# Altium PCB BTF16_2 (2).PcbDoc (part 2 of 4) (continued)
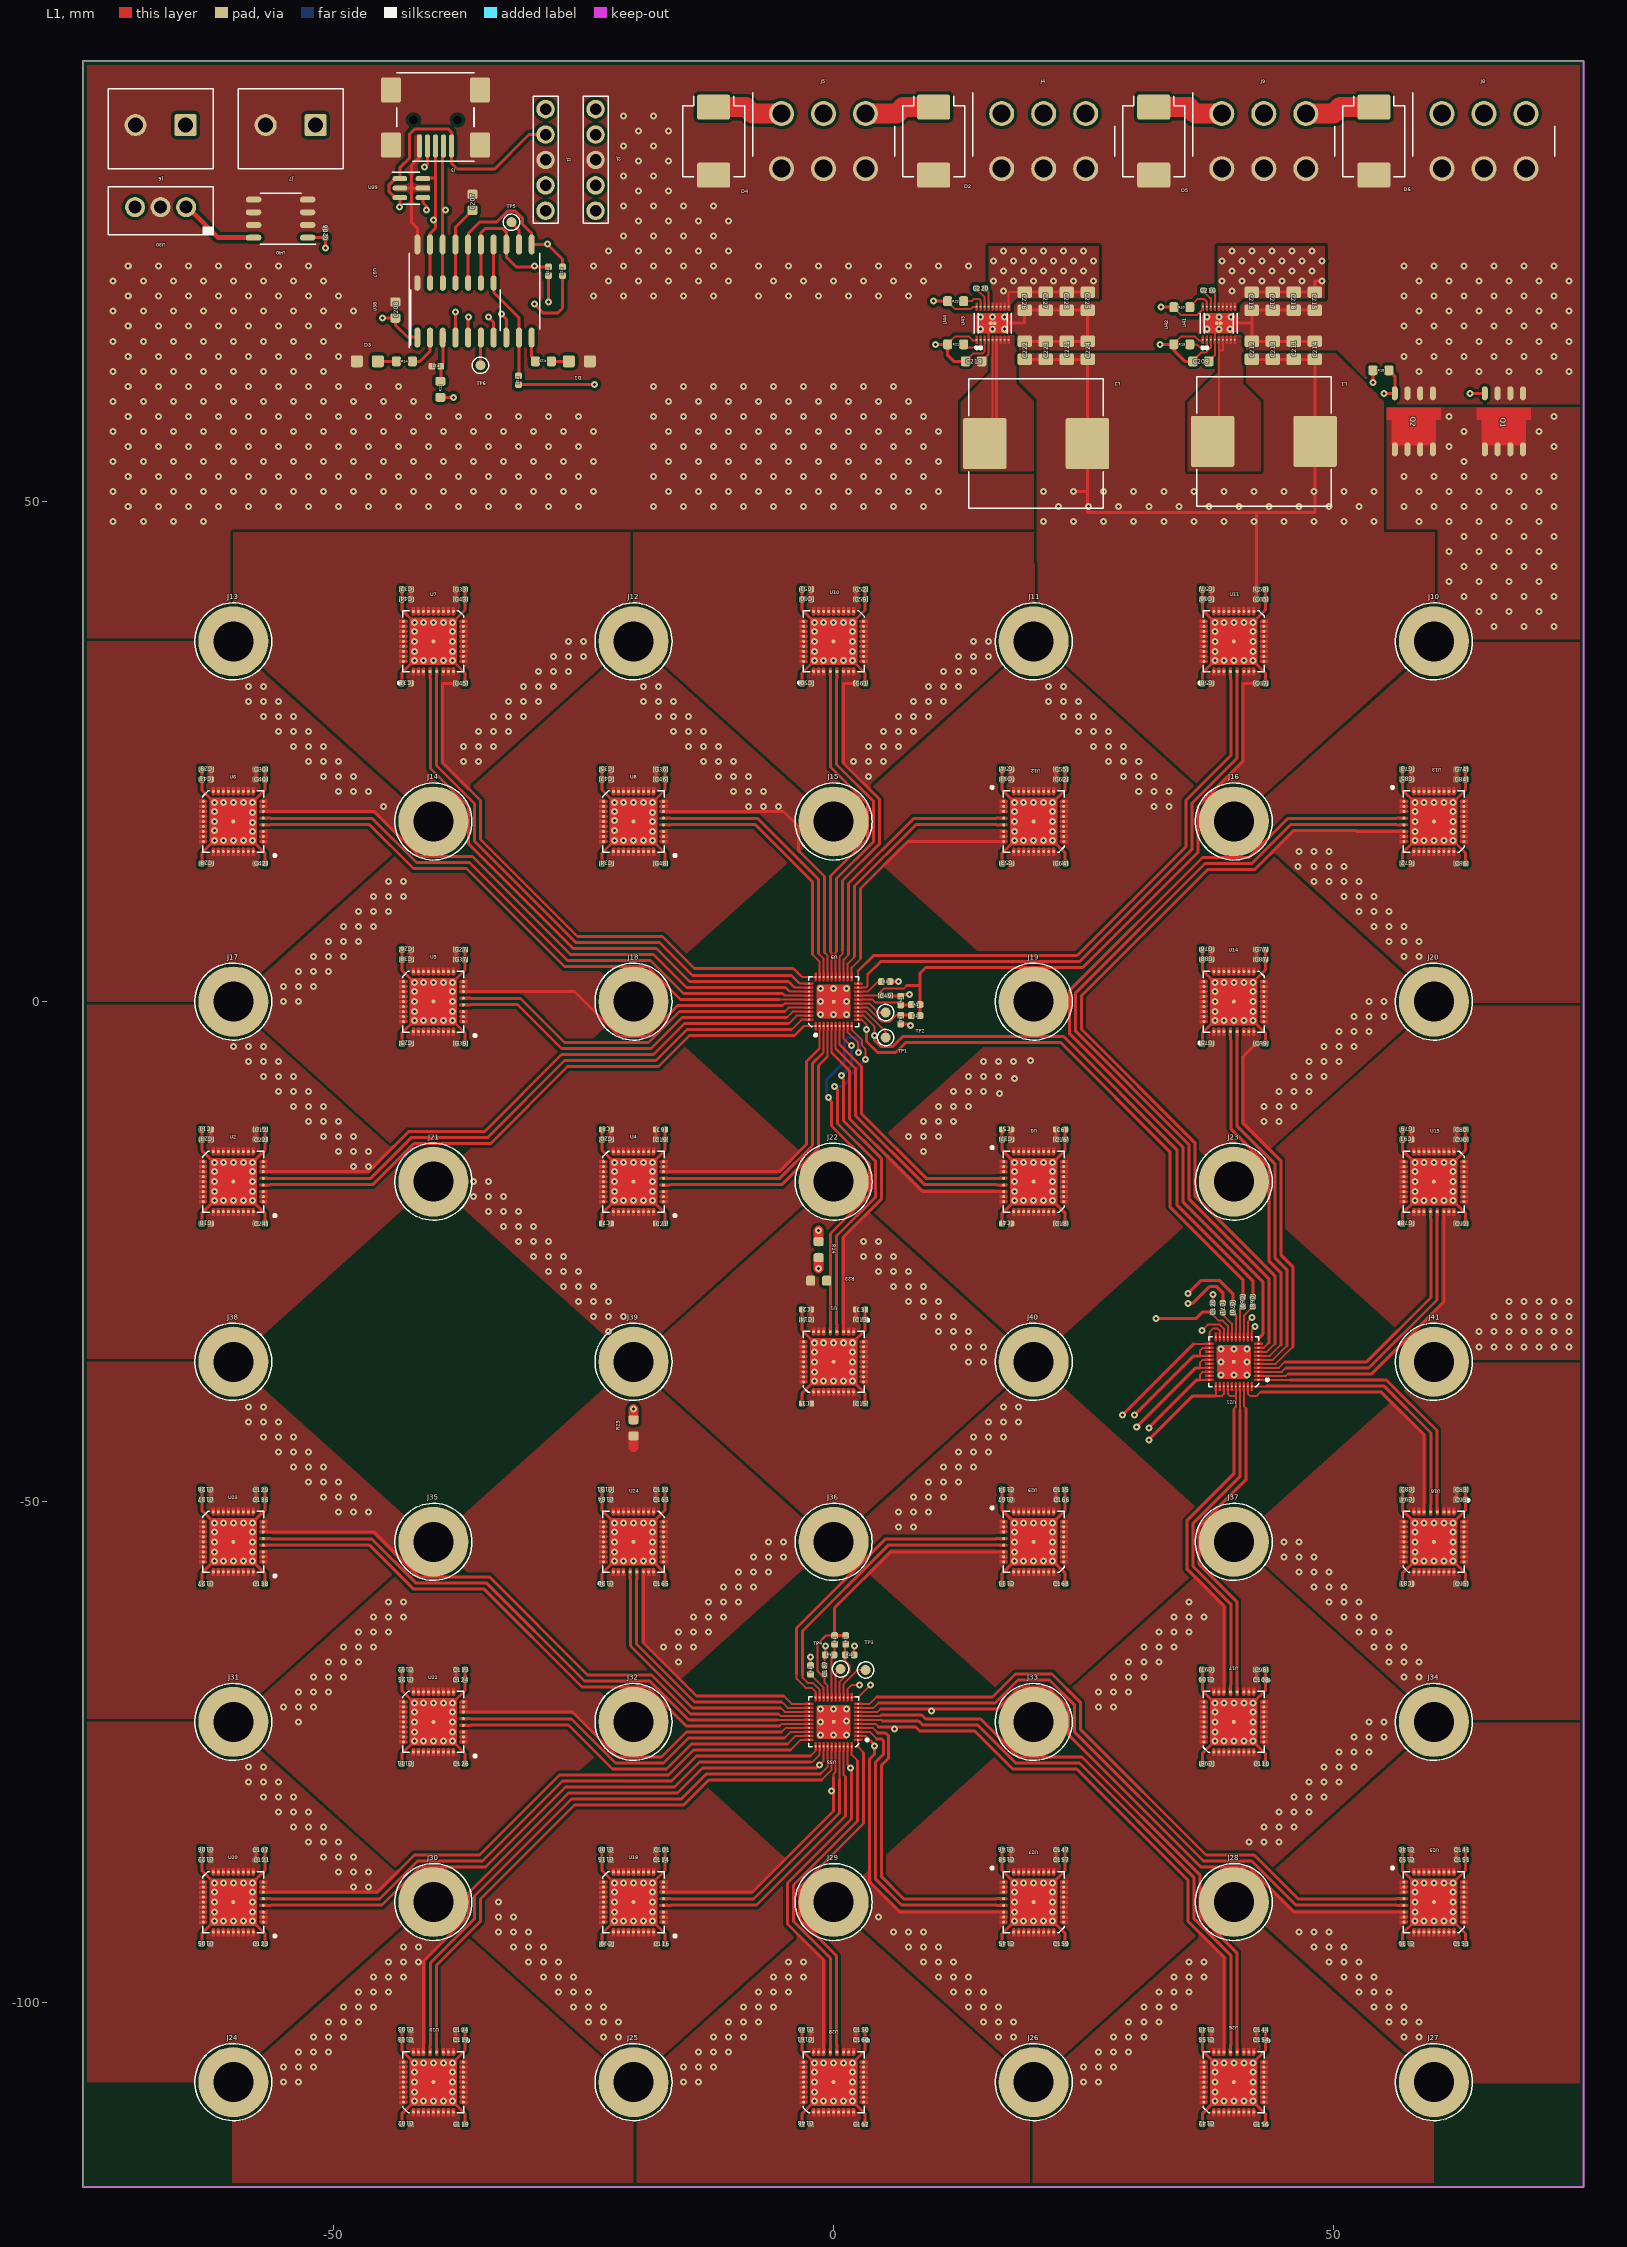
[diagram p0: L1 view]
## Footprints (in the part's own frame and the unit in brackets; to place one, negate y for a bottom-side part, rotate by r counter-clockwise, add the part's x,y. Pads: shape width x height; smd on the part's side, far side on the other; paste and mask are expansions set on the pad) (continued)
  L1 region: 1.7,-2.875 1.692,-2.125 1.723,-2.048 1.8,-2.017 1.877,-2.048 1.908,-2.125 1.9,-2.125 1.9,-2.875 1.7,-2.875
  L1 region: 1.3,-2.875 1.292,-2.125 1.323,-2.048 1.4,-2.017 1.477,-2.048 1.508,-2.125 1.5,-2.125 1.5,-2.875 1.3,-2.875
  L1 region: 0.9,-2.875 0.892,-2.125 0.923,-2.048 1,-2.017 1.077,-2.048 1.108,-2.125 1.1,-2.125 1.1,-2.875 0.9,-2.875
  L1 region: 0.5,-2.875 0.492,-2.125 0.523,-2.048 0.6,-2.017 0.677,-2.048 0.708,-2.125 0.7,-2.125 0.7,-2.875 0.5,-2.875
  L1 region: 0.1,-2.875 0.092,-2.125 0.123,-2.048 0.2,-2.017 0.277,-2.048 0.308,-2.125 0.3,-2.125 0.3,-2.875 0.1,-2.875
  L1 region: -0.3,-2.875 -0.308,-2.125 -0.277,-2.048 -0.2,-2.017 -0.123,-2.048 -0.092,-2.125 -0.1,-2.125 -0.1,-2.875 -0.3,-2.875
  L1 region: -0.7,-2.875 -0.708,-2.125 -0.677,-2.048 -0.6,-2.017 -0.523,-2.048 -0.492,-2.125 -0.5,-2.125 -0.5,-2.875 -0.7,-2.875
  L1 region: -1.1,-2.875 -1.108,-2.125 -1.077,-2.048 -1,-2.017 -0.923,-2.048 -0.892,-2.125 -0.9,-2.125 -0.9,-2.875 -1.1,-2.875
  L1 region: -1.5,-2.875 -1.508,-2.125 -1.477,-2.048 -1.4,-2.017 -1.323,-2.048 -1.292,-2.125 -1.3,-2.125 -1.3,-2.875 -1.5,-2.875
  L1 region: -1.9,-2.875 -1.908,-2.125 -1.877,-2.048 -1.8,-2.017 -1.723,-2.048 -1.692,-2.125 -1.7,-2.125 -1.7,-2.875 -1.9,-2.875
  L1 region: -2.875,-1.7 -2.125,-1.692 -2.048,-1.723 -2.017,-1.8 -2.048,-1.877 -2.125,-1.908 -2.125,-1.9 -2.875,-1.9 -2.875,-1.7
  L1 region: -2.875,-1.3 -2.125,-1.292 -2.048,-1.323 -2.017,-1.4 -2.048,-1.477 -2.125,-1.508 -2.125,-1.5 -2.875,-1.5 -2.875,-1.3
  L1 region: -2.875,-0.9 -2.125,-0.892 -2.048,-0.923 -2.017,-1 -2.048,-1.077 -2.125,-1.108 -2.125,-1.1 -2.875,-1.1 -2.875,-0.9
  L1 region: -2.875,-0.5 -2.125,-0.492 -2.048,-0.523 -2.017,-0.6 -2.048,-0.677 -2.125,-0.708 -2.125,-0.7 -2.875,-0.7 -2.875,-0.5
  L1 region: -2.875,-0.1 -2.125,-0.092 -2.048,-0.123 -2.017,-0.2 -2.048,-0.277 -2.125,-0.308 -2.125,-0.3 -2.875,-0.3 -2.875,-0.1
  L1 region: -2.875,0.3 -2.125,0.308 -2.048,0.277 -2.017,0.2 -2.048,0.123 -2.125,0.092 -2.125,0.1 -2.875,0.1 -2.875,0.3
  L1 region: -2.875,0.7 -2.125,0.708 -2.048,0.677 -2.017,0.6 -2.048,0.523 -2.125,0.492 -2.125,0.5 -2.875,0.5 -2.875,0.7
  L1 region: -2.875,1.1 -2.125,1.108 -2.048,1.077 -2.017,1 -2.048,0.923 -2.125,0.892 -2.125,0.9 -2.875,0.9 -2.875,1.1
  L1 region: -2.875,1.5 -2.125,1.508 -2.048,1.477 -2.017,1.4 -2.048,1.323 -2.125,1.292 -2.125,1.3 -2.875,1.3 -2.875,1.5
  L1 region: -2.875,1.9 -2.125,1.908 -2.048,1.877 -2.017,1.8 -2.048,1.723 -2.125,1.692 -2.125,1.7 -2.875,1.7 -2.875,1.9
  silkscreen extent -3.47,-2.5 2.5,2.5
SMD_QFN50P600X600X175-36AN [mm]
  round 0.3 smd mask-0.15: 1(-3,2) 2(-3,1.5) 3(-3,1) 4(-3,0.5) 5(-3,0) 6(-3,-0.5) 7(-3,-1) 8(-3,-1.5) 9(-3,-2) 10(-2,-3) 11(-1.5,-3) 12(-1,-3) 13(-0.5,-3) 14(0,-3) 15(0.5,-3) 16(1,-3) 17(1.5,-3) 18(2,-3) 19(3,-2) 20(3,-1.5) 21(3,-1) 22(3,-0.333) 23(3,0.334) 24(3,1) 25(3,1.5) 26(3,2) 27(2,3) 28(1.5,3) 29(1,3) 30(0.5,3) 31(0,3) 32(-0.5,3) 33(-1,3) 34(-1.5,3) 35(-2,3)
  round 0.4 smd: 36(0,0)
  L1 region: -2.35,2.15 -2.15,2.35 2.15,2.354 2.228,2.338 2.294,2.294 2.338,2.228 2.354,2.15 2.35,2.15 2.354,-2.15 2.338,-2.228 2.294,-2.294 2.228,-2.338 2.15,-2.354 2.15,-2.35 -2.15,-2.354 -2.228,-2.338 -2.294,-2.294 -2.338,-2.228 -2.354,-2.15 -2.35,-2.15 -2.35,2.15
  L1 region: -1.85,3.4 -1.838,2.75 -1.885,2.635 -2,2.588 -2.115,2.635 -2.162,2.75 -2.15,2.75 -2.15,3.4 -1.85,3.4
  L1 region: -1.35,3.4 -1.338,2.75 -1.385,2.635 -1.5,2.588 -1.615,2.635 -1.662,2.75 -1.65,2.75 -1.65,3.4 -1.35,3.4
  L1 region: -0.85,3.4 -0.838,2.75 -0.885,2.635 -1,2.588 -1.115,2.635 -1.162,2.75 -1.15,2.75 -1.15,3.4 -0.85,3.4
  L1 region: -0.35,3.4 -0.338,2.75 -0.385,2.635 -0.5,2.588 -0.615,2.635 -0.662,2.75 -0.65,2.75 -0.65,3.4 -0.35,3.4
  L1 region: 0.15,3.4 0.162,2.75 0.115,2.635 0,2.588 -0.115,2.635 -0.162,2.75 -0.15,2.75 -0.15,3.4 0.15,3.4
  L1 region: 0.65,3.4 0.662,2.75 0.615,2.635 0.5,2.588 0.385,2.635 0.338,2.75 0.35,2.75 0.35,3.4 0.65,3.4
  L1 region: 1.15,3.4 1.162,2.75 1.115,2.635 1,2.588 0.885,2.635 0.838,2.75 0.85,2.75 0.85,3.4 1.15,3.4
  L1 region: 1.65,3.4 1.662,2.75 1.615,2.635 1.5,2.588 1.385,2.635 1.338,2.75 1.35,2.75 1.35,3.4 1.65,3.4
  L1 region: 2.15,3.4 2.162,2.75 2.115,2.635 2,2.588 1.885,2.635 1.838,2.75 1.85,2.75 1.85,3.4 2.15,3.4
  L1 region: 3.4,1.85 2.75,1.838 2.635,1.885 2.588,2 2.635,2.115 2.75,2.162 2.75,2.15 3.4,2.15 3.4,1.85
  L1 region: 3.4,1.35 2.75,1.338 2.635,1.385 2.588,1.5 2.635,1.615 2.75,1.662 2.75,1.65 3.4,1.65 3.4,1.35
  L1 region: 3.4,0.85 2.75,0.838 2.635,0.885 2.588,1 2.635,1.115 2.75,1.162 2.75,1.15 3.4,1.15 3.4,0.85
  L1 region: 3.4,0.184 2.75,0.172 2.635,0.219 2.588,0.334 2.635,0.449 2.75,0.496 2.75,0.484 3.4,0.484 3.4,0.184
  L1 region: 3.4,-0.483 2.75,-0.495 2.635,-0.448 2.588,-0.333 2.635,-0.218 2.75,-0.171 2.75,-0.183 3.4,-0.183 3.4,-0.483
  L1 region: 3.4,-1.15 2.75,-1.162 2.635,-1.115 2.588,-1 2.635,-0.885 2.75,-0.838 2.75,-0.85 3.4,-0.85 3.4,-1.15
  L1 region: 3.4,-1.65 2.75,-1.662 2.635,-1.615 2.588,-1.5 2.635,-1.385 2.75,-1.338 2.75,-1.35 3.4,-1.35 3.4,-1.65
  L1 region: 3.4,-2.15 2.75,-2.162 2.635,-2.115 2.588,-2 2.635,-1.885 2.75,-1.838 2.75,-1.85 3.4,-1.85 3.4,-2.15
  L1 region: 1.85,-3.4 1.838,-2.75 1.885,-2.635 2,-2.588 2.115,-2.635 2.162,-2.75 2.15,-2.75 2.15,-3.4 1.85,-3.4
  L1 region: 1.35,-3.4 1.338,-2.75 1.385,-2.635 1.5,-2.588 1.615,-2.635 1.662,-2.75 1.65,-2.75 1.65,-3.4 1.35,-3.4
  L1 region: 0.85,-3.4 0.838,-2.75 0.885,-2.635 1,-2.588 1.115,-2.635 1.162,-2.75 1.15,-2.75 1.15,-3.4 0.85,-3.4
  L1 region: 0.35,-3.4 0.338,-2.75 0.385,-2.635 0.5,-2.588 0.615,-2.635 0.662,-2.75 0.65,-2.75 0.65,-3.4 0.35,-3.4
  L1 region: -0.15,-3.4 -0.162,-2.75 -0.115,-2.635 0,-2.588 0.115,-2.635 0.162,-2.75 0.15,-2.75 0.15,-3.4 -0.15,-3.4
  L1 region: -0.65,-3.4 -0.662,-2.75 -0.615,-2.635 -0.5,-2.588 -0.385,-2.635 -0.338,-2.75 -0.35,-2.75 -0.35,-3.4 -0.65,-3.4
  L1 region: -1.15,-3.4 -1.162,-2.75 -1.115,-2.635 -1,-2.588 -0.885,-2.635 -0.838,-2.75 -0.85,-2.75 -0.85,-3.4 -1.15,-3.4
  L1 region: -1.65,-3.4 -1.662,-2.75 -1.615,-2.635 -1.5,-2.588 -1.385,-2.635 -1.338,-2.75 -1.35,-2.75 -1.35,-3.4 -1.65,-3.4
  L1 region: -2.15,-3.4 -2.162,-2.75 -2.115,-2.635 -2,-2.588 -1.885,-2.635 -1.838,-2.75 -1.85,-2.75 -1.85,-3.4 -2.15,-3.4
  L1 region: -3.4,-1.85 -2.75,-1.838 -2.635,-1.885 -2.588,-2 -2.635,-2.115 -2.75,-2.162 -2.75,-2.15 -3.4,-2.15 -3.4,-1.85
  L1 region: -3.4,-1.35 -2.75,-1.338 -2.635,-1.385 -2.588,-1.5 -2.635,-1.615 -2.75,-1.662 -2.75,-1.65 -3.4,-1.65 -3.4,-1.35
  L1 region: -3.4,-0.85 -2.75,-0.838 -2.635,-0.885 -2.588,-1 -2.635,-1.115 -2.75,-1.162 -2.75,-1.15 -3.4,-1.15 -3.4,-0.85
  L1 region: -3.4,-0.35 -2.75,-0.338 -2.635,-0.385 -2.588,-0.5 -2.635,-0.615 -2.75,-0.662 -2.75,-0.65 -3.4,-0.65 -3.4,-0.35
  L1 region: -3.4,0.15 -2.75,0.162 -2.635,0.115 -2.588,0 -2.635,-0.115 -2.75,-0.162 -2.75,-0.15 -3.4,-0.15 -3.4,0.15
  L1 region: -3.4,0.65 -2.75,0.662 -2.635,0.615 -2.588,0.5 -2.635,0.385 -2.75,0.338 -2.75,0.35 -3.4,0.35 -3.4,0.65
  L1 region: -3.4,1.15 -2.75,1.162 -2.635,1.115 -2.588,1 -2.635,0.885 -2.75,0.838 -2.75,0.85 -3.4,0.85 -3.4,1.15
  L1 region: -3.4,1.65 -2.75,1.662 -2.635,1.615 -2.588,1.5 -2.635,1.385 -2.75,1.338 -2.75,1.35 -3.4,1.35 -3.4,1.65
  L1 region: -3.4,2.15 -2.75,2.162 -2.635,2.115 -2.588,2 -2.635,1.885 -2.75,1.838 -2.75,1.85 -3.4,1.85 -3.4,2.15
  silkscreen extent -3.05,-3.53 4.27,3.05
SMD_SOIC127P600X110-9AN [mm]
  oval 1.4x0.6 smd mask+0.075: 1(-2.8,1.905) 2(-2.8,0.635) 3(-2.8,-0.635) 4(-2.8,-1.905) 5(2.8,-1.905) 6(2.8,-0.635) 7(2.8,0.635) 8(2.8,1.905)
  L1 region: -1.35,2.7 -0.15,2.7 -0.15,2.2 2.4,2.2 2.4,-2.2 -0.15,-2.2 -0.15,-2.7 -1.35,-2.7 -1.35,2.7
  body extent -3.2,-2.45 3.2,2.45, height 1.1
SMD_SOIC127P600X175-8N [mm]
  oval 1.55x0.6 smd mask+0.075: 1(-2.7,1.905) 2(-2.7,0.635) 3(-2.7,-0.635) 4(-2.7,-1.905) 5(2.7,-1.905) 6(2.7,-0.635) 7(2.7,0.635) 8(2.7,1.905)
  silkscreen extent -3.5,-2.55 2.05,2.55, body extent -3,-2.5 3,2.5, height 1.75
SMD_SOIC127P600X175-14N [mm]
  oval 1.55x0.6 smd mask+0.075: 1(-2.7,3.81) 2(-2.7,2.54) 3(-2.7,1.27) 4(-2.7,0) 5(-2.7,-1.27) 6(-2.7,-2.54) 7(-2.7,-3.81) 8(2.7,-3.81) 9(2.7,-2.54) 10(2.7,-1.27) 11(2.7,0) 12(2.7,1.27) 13(2.7,2.54) 14(2.7,3.81)
  silkscreen extent -3.5,-4.45 2.05,4.45, body extent -3,-4.32 3,4.33, height 1.75
SMD_SOIC127P1030X265-20N [mm]
  oval 2x0.6 smd mask+0.075: 1(-4.65,5.715) 2(-4.65,4.445) 3(-4.65,3.175) 4(-4.65,1.905) 5(-4.65,0.635) 6(-4.65,-0.635) 7(-4.65,-1.905) 8(-4.65,-3.175) 9(-4.65,-4.445) 10(-4.65,-5.715) 11(4.65,-5.715) 12(4.65,-4.445) 13(4.65,-3.175) 14(4.65,-1.905) 15(4.65,-0.635) 16(4.65,0.635) 17(4.65,1.905) 18(4.65,3.175) 19(4.65,4.445) 20(4.65,5.715)
  silkscreen extent -5.65,-6.5 3.8,6.5, body extent -5.16,-6.4 5.16,6.4, height 2.65
SMD_SON40P330X330X100-17N [mm]
  round 0.2 smd mask-0.1: 1(-1.65,1.4) 2(-1.65,1) 3(-1.65,0.6) 4(-1.65,0.2) 5(-1.65,-0.2) 6(-1.65,-0.6) 7(-1.65,-1) 8(-1.65,-1.4) 9(1.65,-1.4) 10(1.65,-1) 11(1.65,-0.6) 12(1.65,-0.2) 13(1.65,0.2) 14(1.65,0.6) 15(1.65,1) 16(1.65,1.4)
  round 0.4 smd: 17(0,0)
  L1 region: -2.05,1.5 -1.35,1.508 -1.273,1.477 -1.242,1.4 -1.273,1.323 -1.35,1.292 -1.35,1.3 -2.05,1.3 -2.05,1.5
  L1 region: -2.05,1.1 -1.35,1.108 -1.273,1.077 -1.242,1 -1.273,0.923 -1.35,0.892 -1.35,0.9 -2.05,0.9 -2.05,1.1
  L1 region: -2.05,0.7 -1.35,0.708 -1.273,0.677 -1.242,0.6 -1.273,0.523 -1.35,0.492 -1.35,0.5 -2.05,0.5 -2.05,0.7
  L1 region: -2.05,0.3 -1.35,0.308 -1.273,0.277 -1.242,0.2 -1.273,0.123 -1.35,0.092 -1.35,0.1 -2.05,0.1 -2.05,0.3
  L1 region: -2.05,-0.1 -1.35,-0.092 -1.273,-0.123 -1.242,-0.2 -1.273,-0.277 -1.35,-0.308 -1.35,-0.3 -2.05,-0.3 -2.05,-0.1
  L1 region: -2.05,-0.5 -1.35,-0.492 -1.273,-0.523 -1.242,-0.6 -1.273,-0.677 -1.35,-0.708 -1.35,-0.7 -2.05,-0.7 -2.05,-0.5
  L1 region: -2.05,-0.9 -1.35,-0.892 -1.273,-0.923 -1.242,-1 -1.273,-1.077 -1.35,-1.108 -1.35,-1.1 -2.05,-1.1 -2.05,-0.9
  L1 region: -2.05,-1.3 -1.35,-1.292 -1.273,-1.323 -1.242,-1.4 -1.273,-1.477 -1.35,-1.508 -1.35,-1.5 -2.05,-1.5 -2.05,-1.3
  L1 region: 2.05,-1.5 1.35,-1.508 1.273,-1.477 1.242,-1.4 1.273,-1.323 1.35,-1.292 1.35,-1.3 2.05,-1.3 2.05,-1.5
  L1 region: 2.05,-1.1 1.35,-1.108 1.273,-1.077 1.242,-1 1.273,-0.923 1.35,-0.892 1.35,-0.9 2.05,-0.9 2.05,-1.1
  L1 region: 2.05,-0.7 1.35,-0.708 1.273,-0.677 1.242,-0.6 1.273,-0.523 1.35,-0.492 1.35,-0.5 2.05,-0.5 2.05,-0.7
  L1 region: 2.05,-0.3 1.35,-0.308 1.273,-0.277 1.242,-0.2 1.273,-0.123 1.35,-0.092 1.35,-0.1 2.05,-0.1 2.05,-0.3
  L1 region: 2.05,0.1 1.35,0.092 1.273,0.123 1.242,0.2 1.273,0.277 1.35,0.308 1.35,0.3 2.05,0.3 2.05,0.1
  L1 region: 2.05,0.5 1.35,0.492 1.273,0.523 1.242,0.6 1.273,0.677 1.35,0.708 1.35,0.7 2.05,0.7 2.05,0.5
  L1 region: 2.05,0.9 1.35,0.892 1.273,0.923 1.242,1 1.273,1.077 1.35,1.108 1.35,1.1 2.05,1.1 2.05,0.9
  L1 region: 2.05,1.3 1.35,1.292 1.273,1.323 1.242,1.4 1.273,1.477 1.35,1.508 1.35,1.5 2.05,1.5 2.05,1.3
  L1 region: -1,1.225 -0.8,1.425 0.8,1.429 0.878,1.413 0.944,1.369 0.988,1.303 1.004,1.225 1,1.225 1.004,-1.225 0.988,-1.303 0.944,-1.369 0.878,-1.413 0.8,-1.429 0.8,-1.425 -0.8,-1.429 -0.878,-1.413 -0.944,-1.369 -0.988,-1.303 -1.004,-1.225 -1,-1.225 -1,1.225
  silkscreen extent -2.57,-1.65 1,1.65
SMD_SOT457_SOT95P275X110-6N [mm]
  rrect80% 1.45x0.5 smd mask+0.075: 1(-1.15,0.95) 2(-1.15,0) 3(-1.15,-0.95) 4(1.15,-0.95) 5(1.15,0) 6(1.15,0.95)
  silkscreen extent -1.9,-1.6 0.85,1.6, body extent -1.37,-1.45 1.38,1.45, height 1.1
SMD_TP_100-254 [mm]
  round 1 smd paste-0.55 mask+0.075: 1(0,0)
  silkscreen extent -0.82,-0.82 0.82,0.82, body extent -0.5,-0.5 0.5,0.5, height 0.05
SMT_INDM135130X800N [mm]
  rrect9% 4.35x5.1 smd mask+0.075: 1(-5.125,0) 2(5.125,0)
  silkscreen extent -6.73,-6.48 6.73,6.48, body extent -6.26,-6.25 6.26,6.25, height 8

## Via types
v1: diameter 0.7/0.7/0.7/0.7 (per signal layer), hole 0.3, L1 to L4, 1746 vias

## Nets (pads, with @x,y where several pads share a name; then routed paths per layer and width w, separated by ;. In a path a pad name is that pad's centre, name@x,y a point inside that pad or via, vN(x,y) a via of type N, cw(c..) or ccw(c..) an arc to the next point about the centre after c; other vN are vias at no path point)
5.0V: C206.1 C208.1 C209.1 C219.1 J1.2 J2.2 J3.1 R19.1 R21.1 U30.3 U37.1 U38.1 U39.1 U39.3 U40.1 U41.2 U42.1 U42.3 U43.2 U44.1 U44.3 | length 181.2
  L1 w0.2: R21.1@11.4,65.7 11.4,65.75 12.15,66.5 13.5,66.5 13.9,66.1 14.3,66.1 U44.1@14.3,66.15 ; C219.1@13.2,64 13.2,64.025 13.975,64.8 14.9,64.8 15.1,65 U44.3@15.1,66.15 ; R19.1@34,65.7 34,65.75 34.75,66.5 36.1,66.5 36.5,66.1 36.9,66.1 U42.1@36.9,66.15 ; C209.1@35.9,64 35.9,64.025 36.775,64.9 37.228,64.9 37.7,65.372 U42.3@37.7,66.15
  L1 w0.3: U40.1@-52.57,76.353 -50.803,76.353 C206.1@-50.8,76.35 v1(-50.8,75.3) ; v1(-45.1,68.3) -45.08,68.32 C208.1@-43.792,68.32 -43.78,68.308 -43.78,67.6 -42.6,66.42 U38.1@-41.602,66.42 ; v1(-43.4,79.4) -43.35,79.45 U39.3@-43.35,80.35 -43.825,80.35 -44.425,80.95 -44.425,81.65 -43.825,82.25 U39.1@-43.35,82.25 -43.35,83.35 -42.4,84.3 -42.4,86.7 -41.9,87.2 -38.5,87.2 -38.153,86.853 -38.153,85.52 J3.1@-38.192,85.52 -38.192,83.8 -37.592,83.2 -33.9,83.2 -30.44,86.66 J1.2@-28.792,86.66 ; v1(10.2,65.7) R21.1@11.4,65.7 11.4,64.6 12,64 C219.1@13.2,64 ; v1(32.6,65.7) R19.1@34,65.7 34,65.1 35.1,64 C209.1@35.9,64
  L2 w0.3: J1.2@-28.792,86.66 J2.2@-23.792,86.66
  L2 w1: U30.3@-69.82,79.408 -69.82,77 -68.12,75.3 v1(-50.8,75.3) -45.2,75.3 ; v1(-45.1,68.3) -45.1,75.2 -45.2,75.3 ; v1(-43.4,79.4) -43.4,77 -43.5,77 -45.2,75.3
  L3 w1.5: v1(10.2,65.7) v1(32.6,65.7)
  L3 w2: v1(-45.1,68.3) -42.5,65.7 v1(10.2,65.7)
12V: C215.1 C216.1 C217.1 C218.1 C225.1 C226.1 C227.1 C228.1 D2.1 D4.1 J4.1 J4.2 J4.3 J5.1 J5.2 J5.3 J6.1 J7.1 U30.1 U40.8 U41.9 U41.10 U41.11 U41.12 U41.13 U42.9 U42.10 U42.11 U42.12 U43.9 U43.10 U43.11 U43.12 U43.13 U44.9 U44.10 U44.11 U44.12 | length 113.6
  L1 w0.2: U43.9@17.5,69.45 17.5,70.9 C226.1@19.1,70.9
  L1 w0.3: C226.1@19.1,70.9 C225.1@25.4,70.9 ; C216.1@41.8,70.9 C215.1@48.1,70.9 48.1,72 v1(48.8,72)
  L1 w0.5: U30.1@-64.72,79.408 -64.555,79.408 -61.5,76.353 U40.8@-57.97,76.353
  L1 w2: D4.1@-12,89.4 -8.75,89.4 -8.1,88.75 J5.1@-5.2,88.75 ; J5.3@3.2,88.75 6.3,88.75 6.95,89.4 D2.1@10,89.4
  L3 w1: J6.1@-64.77,87.608 -64.77,79.458 U30.1@-64.72,79.408
  L3 w2: J6.1@-64.77,87.608 -64.681,87.519 -60.4,91.8 -55.961,91.8 J7.1@-51.77,87.608 -47.978,91.4 -16.593,91.4 -13.944,88.75 J5.1@-5.2,88.75
  other v1: 17,71 39.8,71 16,72 18,72 20,72 22,72 24,72 26,72 38.8,72 40.8,72 42.8,72 44.8,72 46.8,72 17,73 19,73 21,73 23,73 25,73 39.8,73 41.8,73 43.8,73 45.8,73 47.8,73 16,74 18,74 20,74 22,74 24,74 26,74 38.8,74 40.8,74 42.8,74 44.8,74 46.8,74 48.8,74 17,75 19,75 21,75 23,75 25,75 39.8,75 41.8,75 43.8,75 45.8,75 47.8,75
$1I64\$1N1323: TP5.1 U37.12 | length 2.5
  L1 w0.3: TP5.1@-32.2,77.9 -32.2,77.853 -31.447,77.1 U37.12@-31.447,75.67
$1I64\$1N1342: R13.2 U37.10 | length 2.5
  L1 w0.3: U37.10@-30.177,66.37 -30.177,64.5 -29.8,64.123 R13.2@-29.8,64
$1I64\$1N1343: D1.2 R13.1 | length 1.7
  L1 w0.3: R13.1@-28.2,64 D1.2@-26.45,64
$1I64\$1N1344: D3.2 R14.1 | length 1.9
  L1 w0.3: D3.2@-45.55,64 R14.1@-43.7,64
$1I64\CLK: J2.4 R17.1 U37.11 U37.16 U38.10 | length 26.9
  L1 w0.3: U38.10@-36.522,71.82 -36.527,71.825 U37.16@-36.527,75.67 -36.5,75.697 -36.5,76.8 -35.4,77.9 -33.7,77.9 -32.6,79 -31.8,79 -31.1,78.3 -31.1,77.7 -30.177,76.777 U37.11@-30.177,75.67 -28.63,75.67 v1(-28.6,75.7) -27.1,74.2 R17.1@-27.1,73.44
  L2 w0.3: v1(-28.6,75.7) -26.1,78.2 -26.1,79.272 J2.4@-23.792,81.58
$1I64\D+: J1.4 J3.3 U37.19 U38.13 U39.6 | length 31.8
  L1 w0.3: U39.6@-41.05,82.25 -41.05,82.3 -39.792,82.3 ; U38.13@-40.332,71.82 -40.337,71.825 -40.337,75.6 U37.19@-40.337,75.67 -40.337,76.755 -39.792,77.3 v1@-39.792,78.1 ; v1(-40,78.1) v1@-39.792,78.1 ; J3.3@-39.792,85.52 -39.792,82.3 ; v1@-39.792,78.1 -39.792,82.3
  L2 w0.3: v1(-40,78.1) -40.9,78.1 -41.6,78.8 -41.6,79.6 -41.1,80.1 -30.272,80.1 J1.4@-28.792,81.58
$1I64\D-: J1.5 J3.2 U37.18 U38.12 U39.4 | length 27.3
  L1 w0.3: U39.4@-41.05,80.35 -41.05,79.85 -40.7,79.5 v1(-40.7,79.1) ; U38.12@-39.062,71.82 -39.067,71.825 v1@-39.067,79.1 ; J3.2@-38.992,85.52 -39.067,85.445 v1@-39.067,79.1 ; v1(-38.8,79.1) v1@-39.067,79.1
  L2 w0.3: v1(-40.7,79.1) v1(-38.8,79.1) -28.852,79.1 J1.5@-28.792,79.04
$1I64\MCLR: J1.1 J2.1 J3.4 U37.4 U38.4 | length 41.3
  L1 w0.3: v1(-40.9,83.4) -40.6,83.7 -40.592,83.7 J3.4@-40.592,85.52 ; v1(-37.8,68.9) -37.792,68.892 U38.4@-37.792,66.42
  L2 w0.3: v1(-37.8,68.9) -42.4,73.5 -42.4,81.9 v1(-40.9,83.4) -35.8,83.4 -30,89.2 J1.1@-28.792,89.2 J2.1@-23.792,89.2
$1I64\MISO_MCU: J2.5 R16.1 U37.13 U37.15 U38.9 | length 23.5
  L1 w0.3: U38.9@-35.252,71.82 -35.257,71.825 -35.257,76.826 -34.8,77.283 -33.1,77.283 -32.717,76.9 -32.717,74.417 -31.74,73.44 v1@-29.9,73.44 ; v1(-29.9,73.5) v1@-29.9,73.44 ; R16.1@-28.5,73.44 v1@-29.9,73.44
  L2 w0.3: v1(-29.9,73.5) -29.868,73.532 -29.3,73.532 J2.5@-23.792,79.04
$1I64\MOSI_MCU: R15.1 U37.9 U37.14 U38.8 | length 14.2
  L1 w0.3: U37.14@-33.987,75.67 -33.987,71.825 U38.8@-33.982,71.82 -33.947,71.785 -33.947,70.847 -31.447,68.347 U37.9@-31.447,66.37 -31.447,62.593 R15.1@-31.5,62.54
$1I64\PWR: R18.1 U37.7 U38.7 | length 98
  L1 w0.3: v1(-34.5,68.4) -34,67.9 -33.982,67.9 U38.7@-33.982,66.42 ; v1(53.9,61.9) R18.1@53.9,63.1
  L3 w0.3: v1(-34.5,68.4) -34,67.9 12.4,67.9 14.2,69.7 17.7,69.7 19.5,67.9 29.9,67.9 32.3,70.3 33.1,70.3 41.5,61.9 v1(53.9,61.9)
$1I64\RA5: R14.2 U37.2 U38.2 | length 3.6
  L1 w0.3: R14.2@-42.1,64 -41.332,64 -40.332,65 U38.2@-40.332,66.42
$1I64\RC4: TP6.1 U37.6 U38.6 | length 2.8
  L1 w0.3: TP6.1@-35.3,63.6 -35.3,66.327 U37.6@-35.257,66.37
$1I64\VMEAS: R11.2 R12.1 U37.3 U38.3 | length 4.5
  L1 w0.3: R11.2@-39.3,62 -39.26,62.04 R12.1@-39.26,63.5 -39.26,63.602 -39.062,63.8 U38.3@-39.062,66.42
$1I64\VUSB3V3: C207.1 U37.17 U38.11 | length 8
  L1 w0.3: U38.11@-37.792,71.82 -37.797,71.825 -37.797,77.403 C207.1@-36.1,79.1
$1I70\BF_CLK0: U13.22 U21.10 | length 84
  L1 w0.2: U21.10@42.45,-34.2 42.45,-33.7
  L1 w0.3: 42.45,-33.7 42.9,-33.25 42.9,-28 34.9,-20 34.9,-14.524 23.6,-3.224 23.6,1.124 36.876,14.4 41.501,14.4 45.4,18.299 56.267,18.299 56.3,18.333 U13.22@57,18.333
$1I70\BF_CLK1: U14.22 U21.7 | length 36.1
  L1 w0.2: U21.7@42.45,-35.4 43.6,-35.4 44.7,-34.3
  L1 w0.3: U14.22@39.667,-3 39.667,-3.8 39.7,-3.834 39.7,-12.701 43.5,-16.5 43.5,-25.9 44.7,-27.1 44.7,-34.3
$1I70\BF_CLK2: U15.22 U21.4 | length 28.7
  L1 w0.2: U21.4@42.45,-36.6 44.5,-36.6 45.1,-36
  L1 w0.3: 45.1,-36 53.276,-36 59.701,-29.575 59.701,-21.733 59.667,-21.7 U15.22@59.667,-21
$1I70\BF_CLK3: U16.22 U21.1 | length 28.1
  L1 w0.2: U21.1@42.45,-37.8 45.6,-37.8
  L1 w0.3: 45.6,-37.8 55.224,-37.8 60.3,-42.875 60.3,-50.267 60.333,-50.3 U16.22@60.333,-51
$1I70\BF_CLK4: U17.22 U21.38 | length 34.2
  L1 w0.2: U21.38@41,-38.45 41,-40.456 41.2,-40.656
  L1 w0.3: U17.22@40.333,-69 40.333,-68.3 40.3,-68.267 40.3,-59.975 36.5,-56.176 36.5,-52.5 41.2,-47.8 41.2,-40.656
$1I70\BF_DAT0: U13.23 U21.9 | length 84
  L1 w0.2: U21.9@42.45,-34.6 43,-34.6 43.5,-34.1
  L1 w0.3: 43.5,-34.1 43.5,-27.7 35.5,-19.7 35.5,-14.276 24.2,-2.976 24.2,0.876 37.124,13.8 41.801,13.8 45.7,17.699 56.267,17.699 56.3,17.666 U13.23@57,17.666
$1I70\BF_DAT1: U14.23 U21.6 | length 36.9
  L1 w0.2: U21.6@42.45,-35.8 43.9,-35.8 45.3,-34.4
  L1 w0.3: U14.23@40.334,-3 40.334,-3.8 40.301,-3.834 40.301,-12.401 44.1,-16.2 44.1,-25.6 45.3,-26.8 45.3,-34.4
$1I70\BF_DAT2: U15.23 U21.3 | length 29.7
  L1 w0.2: U21.3@42.45,-37 44.8,-37 45.2,-36.6
  L1 w0.3: 45.2,-36.6 53.524,-36.6 60.301,-29.824 60.301,-21.733 60.334,-21.7 U15.23@60.334,-21
$1I70\BF_DAT3: U16.23 U21.40 | length 27.8
  L1 w0.2: U21.40@41.8,-38.45 43.3,-38.45 43.325,-38.425
  L1 w0.3: 43.325,-38.425 43.35,-38.4 54.976,-38.4 59.699,-43.124 59.699,-50.267 59.666,-50.3 U16.23@59.666,-51
$1I70\BF_DAT4: U17.23 U21.37 | length 34.1
  L1 w0.2: 40.6,-40.8 U21.37@40.6,-38.45
  L1 w0.3: U17.23@39.666,-69 39.666,-68.3 39.7,-68.267 39.7,-60.224 35.9,-56.424 35.9,-52.2 40.6,-47.5 40.6,-40.8
$1I70\PWR1: C72.1 C73.1 C74.1 C75.2 C76.2 C77.2 C84.1 C85.1 C86.1 C87.2 C88.2 C89.2 U13.1 U13.2 U13.3 U13.4 U13.5 U13.6 U13.7 U13.8 U13.9 U13.10 U13.11 U13.12 U13.13 U13.14 U13.15 U13.16 U13.17 U13.18 U13.19 U13.20 U13.21 U13.24 U13.25 U13.26 U13.27 U13.28 U13.29 U13.30 U13.31 U13.32 U13.33 U13.34 U13.35 U14.36 U21.8 | length 111.8
  L1 w0.2: U14.36@40,0 v1(40,1.9) ; U21.8@42.45,-35 43.3,-35 44.1,-34.2
  L1 w0.3: C75.2@36.849,-4.184 36.849,-3.151 v1(38.1,-1.9) U14.36@40,0 ; C76.2@36.849,5.216 C88.2@36.849,4.216 36.849,3.151 U14.36@40,0 ; C89.2@43.149,-4.184 43.149,-3.149 U14.36@40,0 ; C77.2@43.149,5.216 43.149,3.149 v1(41.9,1.9) U14.36@40,0 ; 44.1,-34.2 44.1,-27.4 36.1,-19.4 36.1,-14.1 24.8,-2.8 24.8,0.6 37.4,13.2 42.1,13.2 46,17.1 52.203,17.1 52.303,17 U13.24@57,17
  L1 w0.305: C85.1@57.749,22.216 C73.1@57.749,23.216 ; C84.1@62.249,22.216 C74.1@62.249,23.216
  other v1: 39,-1.9 40,-1.9 41,-1.9 41.9,-1.9 38.1,-1 41.9,-1 38.1,0 41.9,0 38.1,1 41.9,1 38.1,1.9 39,1.9 41,1.9 57,4.5 58.5,4.5 55.5,6 57,6 58.5,6 54,7.5 55.5,7.5 57,7.5 52.5,9 54,9 55.5,9 51,10.5 52.5,10.5 54,10.5 48,12 49.5,12 51,12 52.5,12 46.4,13.5 48,13.5 49.5,13.5 51,13.5 46.5,15 48,15 49.5,15
$1I70\PWR2: C75.1 C76.1 C77.1 C78.2 C79.2 C80.2 C87.1 C88.1 C89.1 C90.2 C91.2 C92.2 U14.1 U14.2 U14.3 U14.4 U14.5 U14.6 U14.7 U14.8 U14.9 U14.10 U14.11 U14.12 U14.13 U14.14 U14.15 U14.16 U14.17 U14.18 U14.19 U14.20 U14.21 U14.24 U14.25 U14.26 U14.27 U14.28 U14.29 U14.30 U14.31 U14.32 U14.33 U14.34 U14.35 U15.36 U21.5 | length 65
  L1 w0.2: U21.5@42.45,-36.2 44.2,-36.2 45.9,-34.5 ; U15.36@60,-18 v1(60,-16.1)
  L1 w0.3: C89.1@42.249,-4.184 40.9,-5.533 40.9,-12.1 44.7,-15.9 44.7,-25.3 45.9,-26.5 45.9,-34.5 ; C78.2@56.849,-22.184 56.849,-21.151 v1(58.1,-19.9) U15.36@60,-18 ; C79.2@56.849,-12.784 56.849,-14.849 v1(58.1,-16.1) U15.36@60,-18 ; C92.2@63.149,-22.184 63.149,-21.149 v1(61.9,-19.9) U15.36@60,-18 ; C80.2@63.149,-12.784 C90.2@63.149,-13.784 63.149,-14.851 v1(61.9,-16.1) U15.36@60,-18
  L1 w0.305: C88.1@37.749,4.216 C76.1@37.749,5.216 ; C87.1@42.249,4.216 C77.1@42.249,5.216
  other v1: 59,-19.9 60,-19.9 61,-19.9 58.1,-19 61.9,-19 58.1,-18 61.9,-18 58.1,-17 61.9,-17 59,-16.1 61,-16.1 43,-12 44.5,-12 43,-10.5 44.5,-10.5 46,-10.5 44.5,-9 46,-9 47.5,-9 46,-7.5 47.5,-7.5 49,-7.5 47.5,-6 49,-6 50.5,-6 49,-4.5 50.5,-4.5 52,-4.5 50.5,-3 52,-3 53.5,-3 52,-1.5 53.5,-1.5 55,-1.5 53.5,0 55,0
$1I70\PWR3: C78.1 C79.1 C80.1 C81.2 C82.2 C83.2 C90.1 C91.1 C92.1 C93.2 C94.2 C95.2 U15.1 U15.2 U15.3 U15.4 U15.5 U15.6 U15.7 U15.8 U15.9 U15.10 U15.11 U15.12 U15.13 U15.14 U15.15 U15.16 U15.17 U15.18 U15.19 U15.20 U15.21 U15.24 U15.25 U15.26 U15.27 U15.28 U15.29 U15.30 U15.31 U15.32 U15.33 U15.34 U15.35 U16.36 U21.2 | length 58.5
  L1 w0.2: U21.2@42.45,-37.4 45.2,-37.4 45.4,-37.2 ; U16.36@60,-54 v1(60,-52.1)
  L1 w0.3: 45.4,-37.2 53.8,-37.2 61,-30 U15.24@61,-21 ; C81.2@56.849,-58.184 56.849,-57.151 v1(58.1,-55.9) U16.36@60,-54 ; C82.2@56.849,-48.784 56.849,-50.849 v1(58.1,-52.1) U16.36@60,-54 ; C95.2@63.149,-58.184 63.149,-57.149 v1(61.9,-55.9) U16.36@60,-54 ; C83.2@63.149,-48.784 C93.2@63.149,-49.784 63.149,-50.851 v1(61.9,-52.1) U16.36@60,-54
  L1 w0.305: C91.1@57.749,-13.784 C79.1@57.749,-12.784 ; C90.1@62.249,-13.784 C80.1@62.249,-12.784
  other v1: 59,-55.9 60,-55.9 61,-55.9 58.1,-55 61.9,-55 58.1,-54 61.9,-54 58.1,-53 61.9,-53 59,-52.1 61,-52.1 64.5,-34.5 66,-34.5 67.5,-34.5 69,-34.5 70.5,-34.5 72,-34.5 73.5,-34.5 64.5,-33 66,-33 67.5,-33 69,-33 70.5,-33 72,-33 73.5,-33 66,-31.5 67.5,-31.5 69,-31.5 70.5,-31.5 72,-31.5 73.5,-31.5 67.5,-30 69,-30 70.5,-30 72,-30 73.5,-30
$1I70\PWR4: C81.1 C82.1 C83.1 C93.1 C94.1 C95.1 C96.2 C97.2 C98.2 C108.2 C109.2 C110.2 U16.1 U16.2 U16.3 U16.4 U16.5 U16.6 U16.7 U16.8 U16.9 U16.10 U16.11 U16.12 U16.13 U16.14 U16.15 U16.16 U16.17 U16.18 U16.19 U16.20 U16.21 U16.24 U16.25 U16.26 U16.27 U16.28 U16.29 U16.30 U16.31 U16.32 U16.33 U16.34 U16.35 U17.36 U21.39 | length 56
  L1 w0.2: U17.36@40,-72 v1(40,-70.1) ; U21.39@41.4,-38.45 41.4,-39.2 41.6,-39.4 42.3,-39.4 42.7,-39
  L1 w0.3: C96.2@36.849,-76.184 36.849,-75.151 v1(38.1,-73.9) U17.36@40,-72 ; C97.2@36.849,-66.784 C109.2@36.849,-67.784 36.849,-68.849 U17.36@40,-72 ; 42.7,-39 54.7,-39 59,-43.3 U16.24@59,-51 ; C110.2@43.149,-76.184 43.149,-75.149 U17.36@40,-72 ; C98.2@43.149,-66.784 43.149,-68.851 v1(41.9,-70.1) U17.36@40,-72
  L1 w0.305: C94.1@57.749,-49.784 C82.1@57.749,-48.784 ; C93.1@62.249,-49.784 C83.1@62.249,-48.784
  other v1: 39,-73.9 40,-73.9 41,-73.9 41.9,-73.9 38.1,-73 41.9,-73 38.1,-72 41.9,-72 38.1,-71 41.9,-71 38.1,-70.1 39,-70.1 41,-70.1 57,-67.5 58.5,-67.5 55.5,-66 57,-66 58.5,-66 54,-64.5 55.5,-64.5 57,-64.5 52.5,-63 54,-63 55.5,-63 51,-61.5 52.5,-61.5 54,-61.5 49.5,-60 51,-60 52.5,-60 48,-58.5 49.5,-58.5 51,-58.5 46.5,-57 48,-57 49.5,-57 45,-55.5 46.5,-55.5 48,-55.5 45,-54 46.5,-54
$1I75\BF_CLK5: U25.22 U33.10 | length 66.7
  L1 w0.2: U33.10@2.45,-70.2 3.6,-70.2 4.3,-69.5
  L1 w0.3: 4.3,-69.5 15.876,-69.5 18.176,-67.2 21.824,-67.2 24.7,-70.076 24.7,-72.776 37.224,-85.3 42.04,-85.3 46.44,-89.701 56.267,-89.701 56.3,-89.667 U25.22@57,-89.667